# KiCad board visionboard.kicad_pcb (continued)
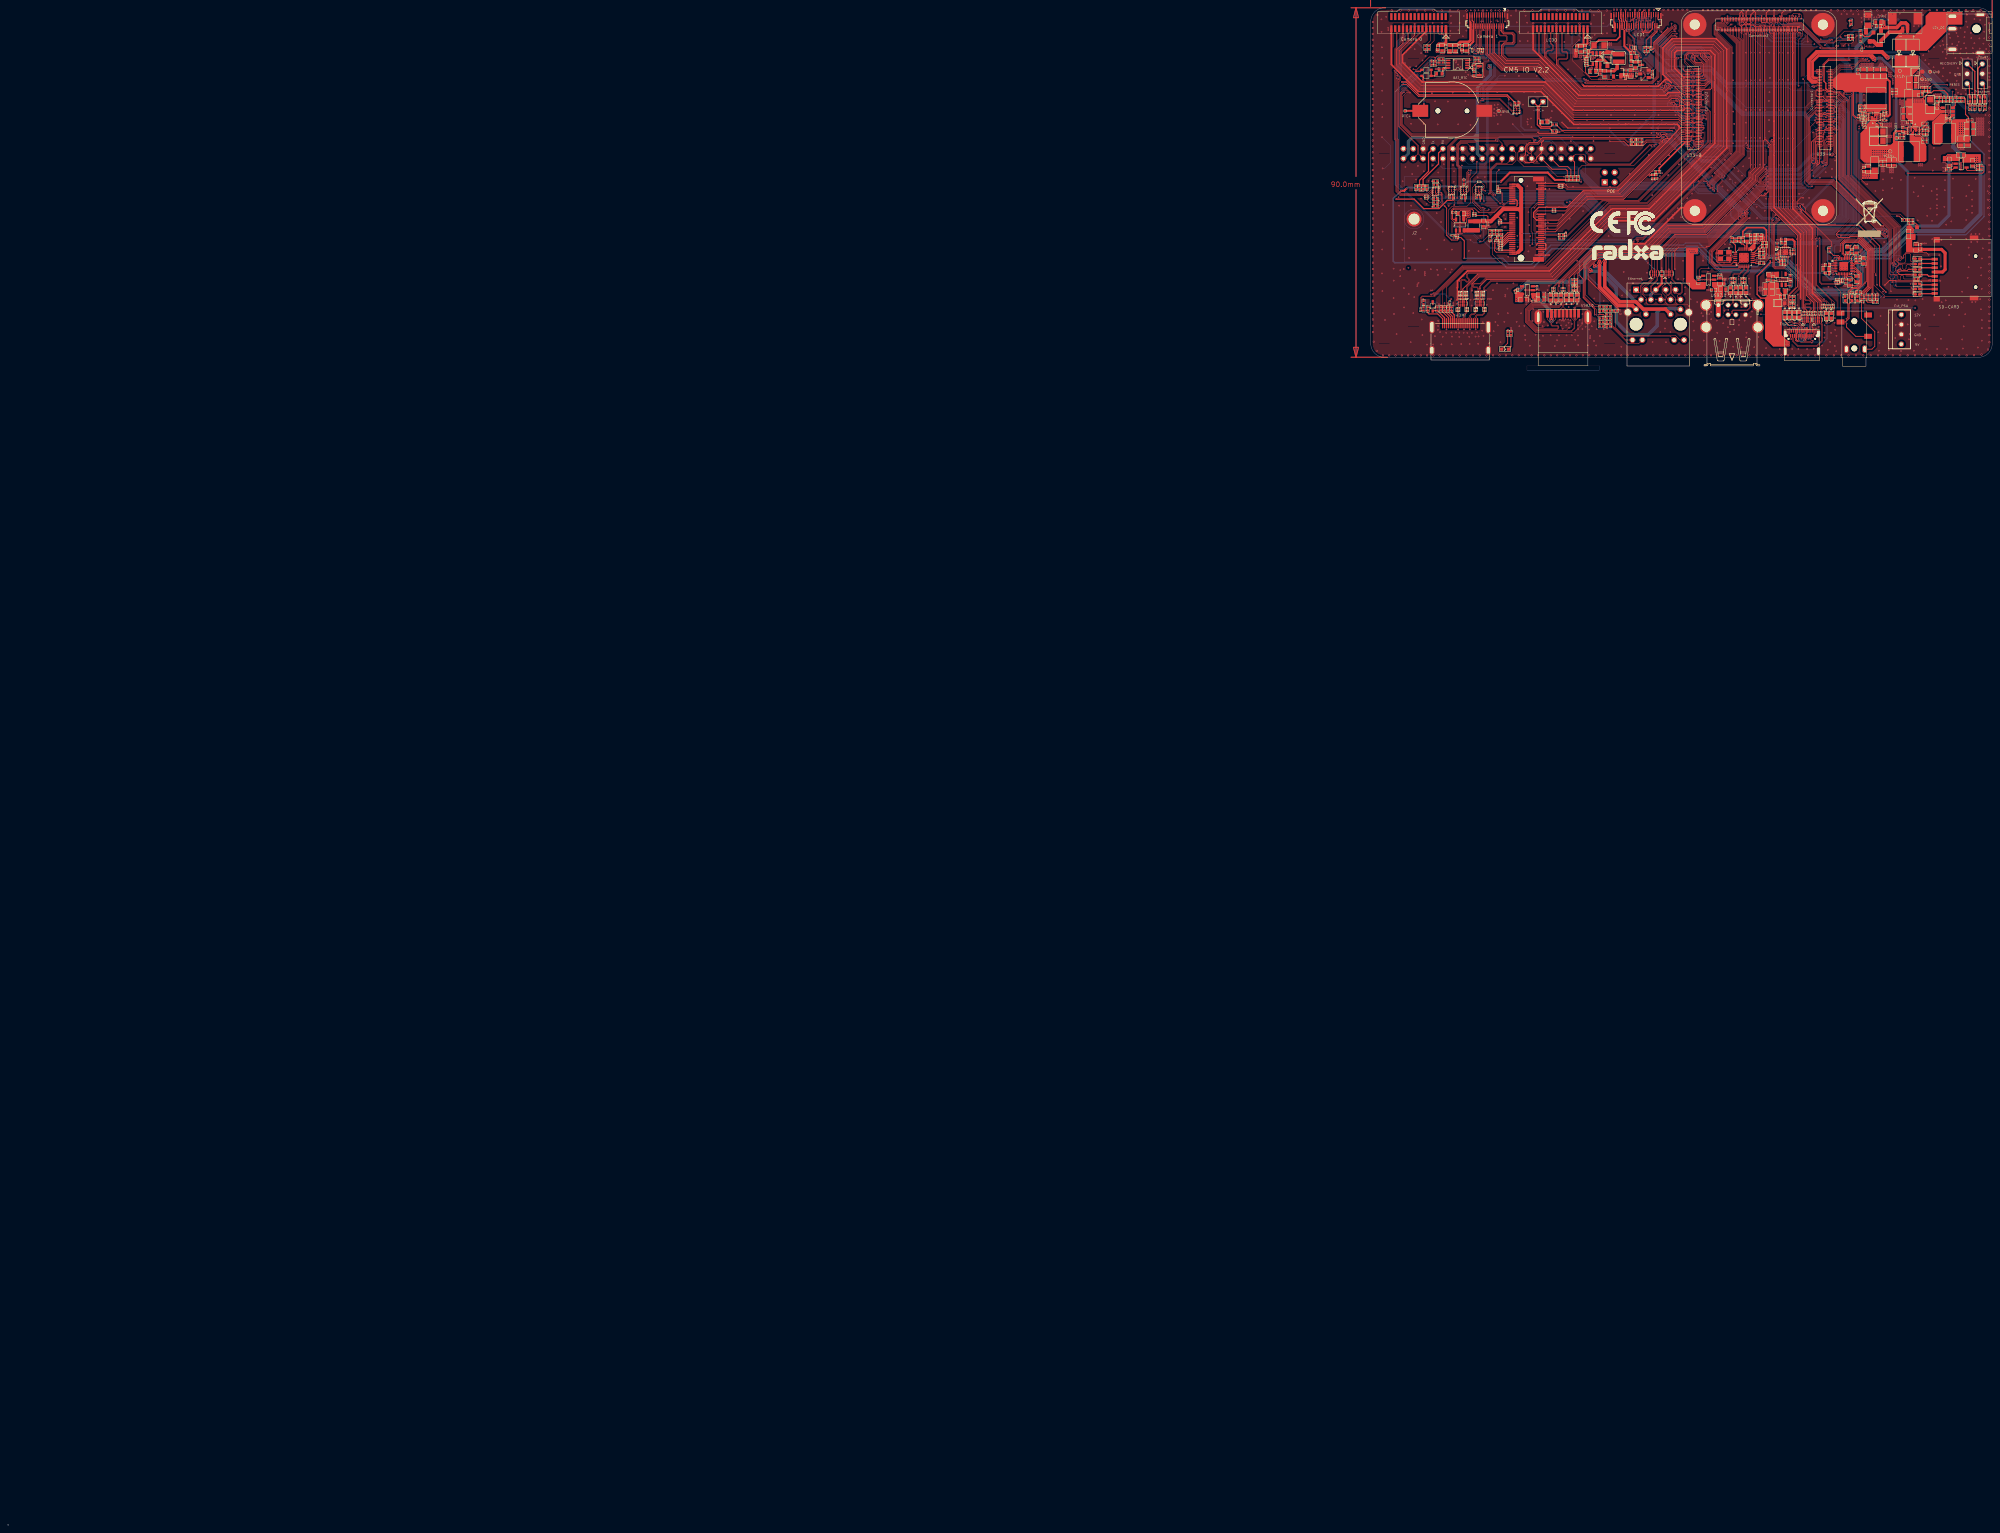
[diagram p0: board, top side]
## Nets (continued)
N29956: R102.1 U17.13
N42094: R147.1 U27.8
N42102: C129.1 R147.2
N42228: C129.2 L12.1 U27.7
N42868: R149.1 R152.2 U27.11
N42932: C141.1 R151.1 R153.2 R154.2
N43092: C143.1 R155.2 U27.6
N43384: R156.1 U27.3
N43388: C144.1 R156.2 U27.9
N43540: D45.1 D46.1 U37.1
N43676: C145.2 L13.1 U29.6
N43804: C145.1 U29.1
N46864: CON1.8 D49.2 R167.1
N46956: CON1.10 D48.2 R168.1
N87861: C1.1 D1.2 J1.18
N113472: C90425.1 L5003.4 R952.2
N113574: C90426.1 L5003.3 R953.2
N113748: C90427.1 L5004.4 R954.2
N113850: C90420.1 L5004.3 R955.2
N114042: C90421.1 L5005.4 R956.2
N114144: C90422.1 L5005.3 R957.2
N114322: C90424.1 L5006.4 R958.2
N114424: C90423.1 L5006.3 R959.2
N131672: C90399.1 R95155.2 R95159.1 R95581.2 U4301.50
N131914: R95147.2 U4301.54
N131962: R95148.2 U4301.56
N132002: R95149.2 U4301.58
N132062: R95150.2 U4301.60
N132134: R95152.2 U4301.70
N132294: L5011.1 U90077.3
N132462: C269.1 R95209.2 R95239.2 U90077.1
N132478: C266.2 R95210.1 R95281.2 U90077.5
N135689: FB261.3 R95141.1 U4301.3
N135722: FB261.4 R95142.1 U4301.5
N135883: C90392.2 U4301.35
N135887: C90393.2 U4301.37
N136147: R95144.2 U4301.53
N136159: R95146.2 U4301.55
N138588: R95143.2 U4301.42
N139019: R95145.2 U4301.52
N146153: R95467.2 U90104.2
N146193: R95468.2 U90104.4
N146409: R95469.2 U90104.23
N146477: R95470.2 U90104.25
N146511: R95471.2 U90104.26
N146519: R95472.2 U90104.27
N16719677: C750.2 J5002.20 R715.2
N16719795: J5002.23 R814.2
N16719909: J5002.27 R95580.2
N16722445: C90408.1 C90410.1 L5000.1 Q9514.3 R95039.1 U90082.6
N16722481: D5000.1 L5000.2 U90082.1
N16722531: Q9514.1 R95041.2 R95044.1
N16722773: R95039.2 R95137.2 R95578.2 U90082.4
N16722853: Q9515.3 R95044.2
N16722887: R95071.1 R95072.2 U90082.3
N16723025: Q9515.1 R95042.2 R95043.1
N16723155: C90448.1 R95072.1 R95073.2
N16734367: R95115.1 U1.8
N16734375: C90489.1 R95115.2
N16734501: C90489.2 L5002.1 R95121.1 U1.7
N16734773: C90487.1 R95114.2 R95122.1 U1.12
N16734781: C90481.1 R95118.1 R95121.2
N16735007: R95116.1 R95118.2 R95120.2 U1.11
N16735153: C90482.1 R95113.1 R95119.1 U1.9
N16735287: R95113.2 U1.3
N16735291: R95117.1 R95119.2 U1.6
N16750686: L90020.1 R91188.2 R95546.1
N16750718: L90020.2 R91189.2 R95547.1
N16754417: R91193.1 U90115.3
N16755970: L90026.1 R95550.1 R95551.2
N16756054: L90026.2 R95552.2 R95553.1
N16763522: C90774.1 C90775.1 C90776.1 C90777.1 J8203.1 J8203.5 U90128.1
N16763712: R95556.1 U90128.3
N16763936: ED21.1 J8203.2 L90027.3 R249.1
N16763952: ED22.1 J8203.6 L5012.1 R253.2
N16764114: ED20.1 J8203.3 L90027.4 R250.1
N16764134: ED6.1 J8203.7 L5012.2 R254.2
N16766215: R396.2 U90129.31
N16766259: C560.1 U90129.28
N16766319: C561.1 U90129.27
N16766443: C563.1 U90129.25
N16766591: C564.1 U90129.24
N16766729: C565.1 U90129.21
N16767009: R90340.1 U90129.10
N16767013: R95558.2 R95573.1 U90129.12
N16767017: C569.1 C570.1 U90129.13
N16767025: C568.1 U90129.15
N16767069: C568.2 U90129.16
N16767177: J15.4 R90337.2 R90340.2 R90341.1
N16770554: C90615.1 U3.1 Y2.2
N16770682: C90616.1 U3.2 Y2.1
N16770702: C90617.1 R95373.2 U3.8
N16770836: R95028.1 R95374.1 U3.7
N16770894: R121.2 U3.3
N16770902: R120.1 U3.6
N16771020: R95377.1 U3.5
N16772975: D2.1 TP16.1 U90131.1
N16776017: ED4806.1 R95495.2 U32.1
N16801679: J7.4 R95570.2
N16801700: J7.5 R95571.2
N16808352: C153.1 R158.2 R159.2 R160.1 R95572.2 U29.4
N16810900: C148.2 R157.2 R161.1 U29.3
N16815803: R2612.1 U2603.3
N16815967: R2613.2 R95599.2 U2602.5
N16884567: J24.92 R9241.2
N16901877: ED9203.1 R95582.2 U32.3
N16901998: R95583.2 R95598.1 U4301.6
N16914632: ED9204.1 R95584.2 U90134.3
N16914672: ED9205.1 R95585.2 U90134.1
N16916775: R95586.2 U4301.20
N16941764: LED4.2 R95602.1
N16946224: ED7104.1 J10.1 R7120.2
N16946250: J10.2 R7125.1
N17002627: CON1.27 R95609.2 R95610.2
N17002814: CON1.28 R95611.1 R95612.1
N17057562: Q1.1 R12.2 R13.1
N17076875: R2311.2 R95606.2 U2305.4
N17076883: R2322.1 U2305.3
N17101033: D37.1 Q15.3 U26.1
N17101108: Q15.1 R214.1 R215.1
N17101132: Q15.2 R353.1
N17122158: R95616.1 U33.106
N169418181: LED4.1 R95603.2

Pads without a net: J3 21 22; J6 16 17 18 19 20 21 22 23 24 25 26 27 28 29 30; J7 16 17 18 19 20 21 22 23 24 25 26 27 28 29 30; J15 1 7 8; J24 16 33 35 39 41 44 46 50 52 54 58 60 64 66 70 78 80 82 84 86 88 91 97; J5002 8 9 22 26; J8202 H1 H2; U1 4; U17 2 22 23 24; U27 4 12; U33 16 18 26 64 68 70 72 76 78 94 101 104 111 143 146 148 149 152 154 158 160 164 166; U37 6; U4301 8 9 10 11 12 13 14 15 16 17 19 22 32 34 36 38 40 44 46 48 59 61 62 64 65 66 67 68 71 73; U90104 5 36 37; U90129 11 29 30; U90133 D1 D3; U90135 A1 A3; U90136 C1 C3 D1 D3

## Via types
v1: diameter 0.4, hole 0.2, Top to Bottom, 2292 vias
v2: diameter 0.5, hole 0.3, Top to Bottom, 439 vias

## Routing (per net, layer and track width the routed paths; a pad name or vN(x,y) marks a point on that pad's centre or on a via; arc(x,y) is an arc through that point)
3V3_CAM1: length 6.5
  Top w0.3: C90779.1 370.23,381.27
  Top w0.5: J7.1 370.23,381.27 369.28,381.27 C90778.1 369.06,380.94 FB2.2
3V3_CAM2: length 10.4
  Top w0.1: 376.38,381.12 C813.1
  Top w0.25: J5002.29 377.03,387.54 377.33,387.24 J5002.28 377.33,385.51 377.33,385.07
  Top w0.5: FB7.2 374.58,381.12 C812.1 376.38,381.12 377.33,382.07 377.33,385.07
5V_CAM: length 13.5
  Top w0.25: J5002.31 376.43,387.39 376.73,387.09 J5002.30 376.73,385.24 376.66,385.17
  Top w0.3: 373.24,381.11 373.32,381.11 373.36,381.14 C549.1
  Top w0.33: 373.63,381.49 373.65,381.49 373.68,381.46 C549.1
  Top w0.5: 376.66,385.17 376.66,382.34 376.26,381.94 374.08,381.94 373.24,381.11 C548.1 R316.2
AVCC_1V8_CODEC_S0: length 17
  Top w0.23: U90129.4 469.11,324.43 C571.1 469.15,324.83 U90129.3 ; v1(473.43,321.42) 473.31,321.54 U90129.14
  Top w0.3: v1(468.56,328.84) R396.1 ; v1(468.83,325.12) 468.83,324.62 C571.1 ; v1(468.93,321.94) R95557.2
  Top w0.5: R95557.2 468.93,323.52 ; 468.93,323.52 C572.1 ; 468.93,323.52 C571.1
  Bottom w0.3: v1(468.56,328.84) 468.56,325.39 v1(468.83,325.12) ; v1(468.93,321.94) 469.46,321.42 v1(473.43,321.42)
GND: length 5609.7
  Top w0.051: 370.72,313.48 370.72,313.67 ; 491.17,326 491.36,326 ; 491.38,316.99 491.57,316.99 ; 364.51,344.05 364.51,344.24 ; 491.24,319.83 491.43,319.83 ; 506.32,366.8 506.32,366.99 ; 364.42,344.14 364.42,344.33 ; 409.87,312.9 410.06,312.9 ; 369.03,313.38 369.03,313.57 ; 491.21,324.64 491.4,324.64 ; 473.13,316.11 473.13,316.3 ; 491.27,316.88 491.46,316.88 ; 505.28,366.9 505.28,367.09 ; 363.54,344.07 363.54,344.26 ; 491.17,323.2 491.36,323.2 ; 491.2,322.22 491.39,322.22 ; 508.98,366.87 508.98,367.06 ; 491.32,323.42 491.52,323.42 ; 368.84,313.56 368.84,313.75 ; 371.81,313.47 371.81,313.66 ; 491.31,317.04 491.5,317.04 ; 368.95,313.46 368.95,313.65 ; 368.88,313.52 368.88,313.71 ; 370.91,313.47 370.91,313.66 ; 410.61,310.6 410.8,310.6 ; 410.46,310.75 410.65,310.75 ; 491.25,326.08 491.44,326.08 ; 473.01,316.12 473.01,316.31 ; 491.35,318.37 491.54,318.37 ; 491.35,324.79 491.54,324.79 ; 409.95,312.81 410.14,312.81 ; 507.97,366.76 507.97,366.95 ; 365.71,313.5 365.71,313.69 ; 507.86,366.86 507.86,367.05 ; 364.34,344.09 364.34,344.28 ; 491.34,326.17 491.53,326.17 ; 365.63,313.41 365.63,313.6 ; 491.34,319.64 491.53,319.64 ; 410,312.73 410.19,312.73 ; 507.75,366.91 507.75,367.1 ; 491.32,326.22 491.52,326.22 ; 491.31,326.14 491.5,326.14 ; 476.23,316.06 476.23,316.25 ; 371.78,313.45 371.78,313.64 ; 509.06,366.93 509.06,367.12 ; 371.62,313.48 371.62,313.67 ; 371.01,313.56 371.01,313.75 ; 491.29,323.44 491.48,323.44 ; 365.53,313.46 365.53,313.65 ; 507.7,366.85 507.7,367.04 ; 474.97,316.2 474.97,316.39 ; 369.98,313.45 369.98,313.64 ; 476.08,316.2 476.08,316.39 ; 491.31,322.09 491.5,322.09 ; 369.74,313.56 369.74,313.75 ; 491.26,323.47 491.45,323.47 ; 491.26,322.14 491.45,322.14 ; 371.54,313.56 371.54,313.75 ; 371.68,313.42 371.68,313.61 ; 476.33,316.17 476.33,316.36 ; 476.18,316.1 476.18,316.29 ; 491.25,323.28 491.44,323.28 ; 491.34,324.77 491.53,324.77 ; 491.26,326.27 491.45,326.27 ; 505.26,366.93 505.26,367.12 ; 474.72,316.16 474.72,316.35 ; 491.17,323.57 491.36,323.57 ; 491.3,319.62 491.49,319.62 ; 363.62,344.01 363.62,344.2 ; 473.22,316.19 473.22,316.38 ; 364.29,344.04 364.29,344.23 ; 476.2,316.07 476.2,316.26 ; 369.06,313.41 369.06,313.6 ; 491.2,318.15 491.39,318.15 ; 364.44,344.11 364.44,344.3 ; 365.45,313.52 365.45,313.71 ; 370.78,313.42 370.78,313.61 ; 473.06,316.06 473.06,316.25 ; 363.66,343.97 363.66,344.16 ; 506.43,366.91 506.43,367.1 ; 491.3,316.92 491.49,316.92 ; 491.24,318.19 491.43,318.19 ; 505.15,366.85 505.15,367.04 ; 491.35,322.07 491.54,322.07 ; 505.34,366.84 505.34,367.03 ; 491.29,319.77 491.48,319.77 ; 371.7,313.4 371.7,313.59 ; 371.65,313.46 371.65,313.65 ; 491.24,324.89 491.43,324.89 ; 371.91,313.56 371.91,313.75 ; 364.37,344.13 364.37,344.32 ; 506.51,366.9 506.51,367.09 ; 410.57,310.93 410.76,310.93 ; 491.21,326.04 491.4,326.04 ; 491.24,317.13 491.43,317.13 ; 363.52,344.11 363.52,344.3 ; 473.26,316.23 473.26,316.42 ; 370.8,313.4 370.8,313.59 ; 506.61,366.8 506.61,366.99 ; 370.97,313.52 370.97,313.71 ; 472.89,316.23 472.89,316.42 ; 409.84,312.57 410.03,312.57 ; 369.88,313.42 369.88,313.61 ; 491.35,323.39 491.54,323.39 ; 370.75,313.46 370.75,313.65 ; 364.32,344.06 364.32,344.25 ; 365.68,313.47 365.68,313.66 ; 508.93,366.82 508.93,367.01 ; 491.35,317.02 491.54,317.02 ; 506.65,366.76 506.65,366.95 ; 505.31,366.86 505.31,367.05 ; 476.41,316.24 476.41,316.43 ; 474.68,316.2 474.68,316.39 ; 474.93,316.17 474.93,316.36 ; 491.34,318.29 491.53,318.29 ; 491.17,324.6 491.36,324.6 ; 473.16,316.14 473.16,316.33 ; 369.11,313.47 369.11,313.66 ; 507.64,366.8 507.64,366.99 ; 491.34,323.37 491.53,323.37 ; 409.99,312.78 410.18,312.78 ; 369.78,313.52 369.78,313.71 ; 410.47,310.83 410.66,310.83 ; 505.05,366.76 505.05,366.95 ; 491.32,324.82 491.52,324.82 ; 491.21,323.53 491.4,323.53 ; 371.73,313.38 371.73,313.57 ; 491.2,316.8 491.39,316.8 ; 363.47,344.15 363.47,344.34 ; 491.38,319.69 491.57,319.69 ; 508.95,366.85 508.95,367.04 ; 369.08,313.45 369.08,313.64 ; 472.97,316.15 472.97,316.34 ; 508.85,366.76 508.85,366.95 ; 491.24,326.29 491.43,326.29 ; 507.68,366.82 507.68,367.01 ; 369.21,313.56 369.21,313.75 ; 505.38,366.8 505.38,366.99 ; 473.03,316.09 473.03,316.28 ; 410.55,310.68 410.74,310.68 ; 509.03,366.94 509.03,367.13 ; 491.31,324.74 491.5,324.74 ; 506.53,366.86 506.53,367.05 ; 474.64,316.24 474.64,316.43 ; 409.94,312.68 410.13,312.68 ; 491.34,321.99 491.53,321.99 ; 509.08,366.9 509.08,367.09 ; 410.52,310.7 410.71,310.7 ; 491.29,326.24 491.48,326.24 ; 491.31,318.39 491.5,318.39 ; 491.21,324.93 491.4,324.93 ; 476.31,316.15 476.31,316.34 ; 473.08,316.05 473.08,316.24 ; 491.2,319.87 491.39,319.87 ; 474.8,316.07 474.8,316.26 ; 472.93,316.19 472.93,316.38 ; 410.61,310.97 410.8,310.97 ; 410.53,310.89 410.72,310.89 ; 491.27,323.32 491.46,323.32 ; 491.36,318.32 491.55,318.32 ; 370.03,313.5 370.03,313.69 ; 491.26,319.79 491.45,319.79 ; 491.24,321.89 491.43,321.89 ; 507.89,366.84 507.89,367.03 ; 364.25,344.01 364.25,344.2 ; 474.91,316.15 474.91,316.34 ; 491.3,318.27 491.49,318.27 ; 410.45,310.81 410.64,310.81 ; 491.2,318.52 491.39,318.52 ; 363.33,344.01 363.33,344.2 ; 409.9,312.86 410.09,312.86 ; 410.51,310.86 410.7,310.86 ; 370.01,313.47 370.01,313.66 ; 369,313.4 369,313.59 ; 505.18,366.87 505.18,367.06 ; 506.28,366.76 506.28,366.95 ; 475.01,316.24 475.01,316.43 ; 409.87,312.6 410.06,312.6 ; 507.83,366.9 507.83,367.09 ; 364.55,344.01 364.55,344.2 ; 491.29,324.84 491.48,324.84 ; 491.2,317.17 491.39,317.17 ; 476.26,316.08 476.26,316.27 ; 476.28,316.12 476.28,316.31 ; 370.07,313.52 370.07,313.71 ; 370.68,313.52 370.68,313.71 ; 371.76,313.41 371.76,313.6 ; 365.58,313.4 365.58,313.59 ; 365.66,313.45 365.66,313.64 ; 368.92,313.48 368.92,313.67 ; 491.24,316.84 491.43,316.84 ; 371.58,313.52 371.58,313.71 ; 491.36,319.67 491.55,319.67 ; 410.01,312.76 410.2,312.76 ; 491.29,322.12 491.48,322.12 ; 365.49,313.48 365.49,313.67 ; 506.46,366.94 506.46,367.13 ; 506.57,366.84 506.57,367.03 ; 491.35,326.19 491.54,326.19 ; 505.13,366.82 505.13,367.01 ; 491.24,319.54 491.43,319.54 ; 370.93,313.5 370.93,313.69 ; 491.27,321.93 491.46,321.93 ; 505.23,366.94 505.23,367.13 ; 370.86,313.41 370.86,313.6 ; 491.17,324.97 491.36,324.97 ; 409.91,312.64 410.1,312.64 ; 371.87,313.52 371.87,313.71 ; 476.12,316.16 476.12,316.35 ; 368.98,313.42 368.98,313.61 ; 364.47,344.07 364.47,344.26 ; 491.25,324.68 491.44,324.68 ; 365.78,313.56 365.78,313.75 ; 409.97,312.7 410.17,312.7 ; 409.84,312.93 410.03,312.93 ; 491.26,324.87 491.45,324.87 ; 365.55,313.42 365.55,313.61 ; 364.58,343.97 364.58,344.16 ; 506.48,366.93 506.48,367.12 ; 369.82,313.48 369.82,313.67 ; 370.88,313.45 370.88,313.64 ; 371.83,313.5 371.83,313.69 ; 491.35,319.72 491.54,319.72 ; 363.42,344.09 363.42,344.28 ; 369.17,313.52 369.17,313.71 ; 491.24,323.49 491.43,323.49 ; 491.27,326.12 491.46,326.12 ; 491.2,321.85 491.39,321.85 ; 370.11,313.56 370.11,313.75 ; 491.24,318.48 491.43,318.48 ; 509,366.91 509,367.1 ; 410.57,310.64 410.76,310.64 ; 364.21,343.97 364.21,344.16 ; 363.44,344.13 363.44,344.32 ; 365.61,313.38 365.61,313.57 ; 364.39,344.15 364.39,344.34 ; 491.27,318.23 491.46,318.23 ; 506.35,366.82 506.35,367.01 ; 507.73,366.87 507.73,367.06 ; 491.27,324.72 491.46,324.72 ; 370.64,313.56 370.64,313.75 ; 473.11,316.07 473.11,316.26 ; 370.83,313.38 370.83,313.57 ; 491.21,323.24 491.4,323.24 ; 509.22,366.76 509.22,366.95 ; 491.29,317.07 491.48,317.07 ; 508.89,366.8 508.89,366.99 ; 491.31,323.34 491.5,323.34 ; 509.11,366.86 509.11,367.05 ; 491.24,322.18 491.43,322.18 ; 474.78,316.1 474.78,316.29 ; 491.26,317.09 491.45,317.09 ; 491.21,326.33 491.4,326.33 ; 363.39,344.06 363.39,344.25 ; 505.09,366.8 505.09,366.99 ; 476.37,316.2 476.37,316.39 ; 474.88,316.12 474.88,316.31 ; 369.96,313.41 369.96,313.6 ; 507.6,366.76 507.6,366.95 ; 363.49,344.14 363.49,344.33 ; 365.41,313.56 365.41,313.75 ; 410.43,310.78 410.62,310.78 ; 491.31,319.74 491.5,319.74 ; 507.78,366.94 507.78,367.13 ; 491.17,326.37 491.36,326.37 ; 506.4,366.87 506.4,367.06 ; 369.93,313.38 369.93,313.57 ; 491.26,318.44 491.45,318.44 ; 507.93,366.8 507.93,366.99 ; 509.14,366.84 509.14,367.03 ; 491.2,319.5 491.39,319.5 ; 474.83,316.06 474.83,316.25 ; 363.37,344.04 363.37,344.23 ; 491.29,318.42 491.48,318.42 ; 363.29,343.97 363.29,344.16 ; 369.13,313.5 369.13,313.69 ; 365.75,313.52 365.75,313.71 ; 409.92,312.83 410.11,312.83 ; 473.18,316.16 473.18,316.35 ; 491.38,318.34 491.57,318.34 ; 507.81,366.93 507.81,367.12 ; 476.15,316.13 476.15,316.32 ; 491.27,319.58 491.46,319.58 ; 476.04,316.24 476.04,316.43 ; 474.75,316.13 474.75,316.32 ; 491.3,321.97 491.49,321.97 ; 491.36,316.97 491.55,316.97 ; 509.18,366.8 509.18,366.99 ; 410.5,310.73 410.69,310.73 ; 363.58,344.05 363.58,344.24 ; 505.42,366.76 505.42,366.95 ; 506.38,366.85 506.38,367.04 ; 505.2,366.91 505.2,367.1 ; 491.36,322.02 491.55,322.02 ; 474.86,316.08 474.86,316.27 ; 491.38,322.04 491.57,322.04 ; 491.34,316.94 491.53,316.94 ; 369.9,313.4 369.9,313.59 ; 369.85,313.46 369.85,313.65
  Top w0.1: U33.107 434.58,356.38 434.46,356.26 434.46,355.02 434.97,354.51 v1(435.27,354.51) ; v1(436.46,368.32) 436.33,368.44 435.87,368.44 435.8,368.38 U33.167 ; U33.1 469.86,355.18 469.97,355.29 469.97,356.39 ; 453.31,341.82 453.31,326.86 452.72,326.27 450.76,326.27 450.61,326.42 v1(450.31,326.42) ; 435.9,375.32 435.9,375.74 435.65,375.99 434.24,375.99 432.49,377.74 v1(432.21,377.74) ; 465.77,365.18 465.63,365.18 463.37,362.91 463.37,346.34 463.99,345.72 469.7,345.72 483.18,332.24 483.63,332.24 483.85,332.02 ; 472.71,367.99 473.13,367.57 473.13,347.78 486.51,334.4 486.46,334.35 486.46,325.92 486.71,325.67 487.31,325.67 487.83,326.19 ; v1(471.21,366.77) 471.91,366.07 471.91,346.97 484.93,333.94 484.93,324.87 485.34,324.47 v1(485.56,324.47) ; 382.08,378.87 381.83,379.12 J5002.13 ; D90033.2 398.63,315.48 398.66,315.48 397.45,314.27 392.6,314.27 391.28,312.95 391.28,310.08 393.57,307.79 401.36,307.79 402.08,308.52 ; 405.36,310.84 405.36,309.26 403.29,307.19 393.32,307.19 390.68,309.84 390.68,313.2 392.4,314.92 394.91,314.92 395.51,315.52 C2283.2 ; U33.119 435.18,358.77 436.23,358.77 v1(436.46,358.64) ; v1(453.16,345.97) 453.03,346.09 452.56,346.09 452.17,345.7 452.17,345.22 437.79,330.84 429.81,330.84 425.84,326.87 C3.1 ; v1(485.56,324.47) 485.63,324.54 485.63,334.02 472.33,347.32 472.33,366.52 470.88,367.97 v1(470.13,367.97) ; v1(485.56,324.47) 485.88,324.15 486.23,324.15 486.9,324.82 ; U90104.9 422.53,385.44 421.56,384.47 421.06,384.47 ; v1(409.68,372.34) 407.68,372.34 402.96,377.06 402.96,380.89 v1(404.66,382.59) ; v1(461.38,384.42) 461.71,384.09 461.71,383.53 461.56,383.39 ; v1(434.26,362.42) 435.18,362.42 U33.137 437.05,362.38 v1(437.31,362.12) 437.41,362.22 437.41,363.42 v1(437.16,363.67) ; 447.99,354.47 447.53,354.93 447.53,355.74 447.56,355.77 ; U90104.12 421.61,386.19 421.61,388.17 421.61,388.17 421.61,390.05 v2(421.41,390.27) ; U5.8 423.99,326.12 429.46,331.59 437.69,331.59 451.57,345.47 451.57,346.58 452.4,347.42 453.1,347.42 453.16,347.47 v1(453.16,347.49) 453.12,347.53 453.31,347.72 453.31,348.52 ; U33.197 435.86,374.38 435.9,374.42 435.9,375.22 435.86,375.27 ; U33.13 469.84,357.58 469.97,357.44 469.97,356.39 ; 451.57,388.62 451.56,388.62 v1(451.56,388.64) ; v1(443.66,386.49) 443.21,386.04 440.48,386.04 440.31,385.87 440.31,384.45 443.97,380.79 443.97,353.55 422.51,332.09 ; 452.72,348.59 453.23,348.59 453.31,348.52 ; 431.9,365.98 431.81,366.07 431.81,366.55 431.57,366.78 ; v1(454.78,386.02) v1(457.06,386.02) ; v1(394,358.71) 393.61,358.32 361.59,358.32 359.11,360.8 359.11,367.97 360.07,368.93 v1(361.03,368.93) 360.57,369.39 358.96,369.39 358.51,368.94 358.51,360.54 361.37,357.67 394.03,357.67 v1(394.58,357.12) ; v1(467.73,312.67) 467.59,312.67 466.83,313.43 466.83,314.84 v1(467.03,315.04) ; v1(480.96,321.89) 480.96,322.3 480.68,322.58 480.68,329.44 v1(479.61,330.52) ; U33.2 467.21,355.18 467.41,355.38 467.41,356.24 467.27,356.38 U33.8 ; 465.98,331.94 465.98,334.03 461.86,338.15 461.86,338.59 461.58,338.87 460.87,338.87 460.37,339.37 460.37,384.29 460.77,384.69 460.77,385.98 461.35,385.98 463.46,383.88 v1(463.46,382.07) ; v1(436.48,325.64) 436.48,327.07 ; 419.83,330.67 419.54,330.67 419.33,330.87 419.33,331.2 419.5,331.37 421.06,331.37 443.57,353.87 443.57,380.52 439.91,384.18 439.91,386.03 440.36,386.49 442.21,386.49 v1(442.66,386.94) ; 453.31,348.52 453.31,352.59 ; 483.85,332.02 484.08,332.25 484.08,333.39 v1(482.88,334.59) ; 483.85,332.02 483.93,331.94 483.93,331.52 483.34,331.52 469.54,345.32 463.79,345.32 462.97,346.14 462.97,365.34 464.42,366.79 466.59,366.79 U33.60 ; 469.97,356.39 469.96,356.38 U33.7 ; v1(427.13,358.29) 427.09,358.26 426.74,358.61 400.83,358.61 400.55,358.89 399.61,358.89 v1(399.54,358.74) ; v1(472.73,368.79) 472.86,368.92 474.48,368.92 474.9,368.5 474.9,363.14 476.17,361.87 R95116.2 ; 429.86,314.39 432.43,314.39 v1(432.93,313.89) ; 429.86,314.39 427.33,314.39 ; 429.86,314.39 429.41,314.84 429.41,316.02 428.46,316.97 428.46,319.42 428.18,319.7 v1(428.18,320.14) ; U6.8 427.69,327.59 430.21,330.12 437.91,330.12 452.58,344.79 453.06,344.79 v1(453.11,344.84) ; v1(476.08,383.59) 475.67,383.18 475.65,383.18 475.31,382.83 475.31,382.19 474.76,381.64 473.28,381.64 v1(472.63,380.99) ; v1(446.36,384.37) 446.36,383.07 446.78,382.64 446.78,353.07 441.38,347.67 441.38,346.01 440.29,344.92 440.29,343.37 ; v1(450.23,325.47) 452.78,325.47 454.03,326.72 454.03,336.27 v1(455.16,337.39) ; v1(419.83,387.09) 419.76,387.34 419.76,388.22 419.83,388.29 419.83,389.92 v2(420.18,390.27) ; 427.33,314.39 426.71,315.02 426.71,316.67 425.94,317.44 425.94,318.91 v1(426.66,319.62) ; 427.33,314.39 422.26,314.39 421.86,314.79 421.86,315.99 420.81,317.04 420.81,318.67 421.56,319.42 422.26,319.42 423.67,320.82 423.67,321.05 v1(423.98,321.37) ; 487.83,326.19 v1(488.08,326.44) ; 487.83,326.19 487.44,326.19 487.11,326.52 487.11,334.37 473.86,347.62 473.86,367.09 473.03,367.92 472.86,367.92 v1(472.76,368.02) ; v1(420.86,385.17) 420.81,385.08 420.71,385.14 420.71,385.14 420.71,387.32 420.56,387.47 420.56,387.87 v1(420.73,388.04) ; 458.2,386.02 458.53,386.02 ; D90037.2 401.28,315.5 401.31,315.5 399.33,313.52 392.69,313.52 391.88,312.7 391.88,310.33 393.82,308.39 395.23,308.39 395.63,308.79 ; v1(379.18,378.97) 379.33,378.82 379.85,378.82 380.08,379.05 380.08,380.29 379.46,380.92 379.46,384.69 380.05,385.28 380.05,387.15 v1(379.91,387.29) ; 486.9,324.82 v1(490.08,324.82) ; 486.9,324.82 486.06,325.66 486.06,334.26 472.73,347.58 472.73,367.02 v1(471.41,368.34) ; v1(445.97,340.94) 450.97,345.94 450.97,347.01 v1(452.56,348.6) ; C750.1 378.98,379.79 378.97,379.79 378.88,379.88 378.88,380.72 379.03,380.87 379.03,384.92 379.41,385.3 379.41,386.91 379.41,386.91 v1(379.41,387.29) ; ESD2703.2 461.3,312.35 461.91,311.74 461.91,310.75 461.61,310.45 v1(461.61,310.02) ; 419.92,330.75 419.92,330.72 419.27,330.07 417.26,330.07 ; 468.63,354.44 468.63,350.55 468.15,350.07 467.86,350.07 467.66,350.27 467.66,351.05 468.01,351.4 468.01,355.97 v1(468.38,356.34) ; ED12.2 484.74,322.04 484.53,322.25 484.53,333.72 471.51,346.75 471.51,365.37 v1(470.11,366.77) ; v1(470.21,322.14) 469.94,322.14 469.51,322.57 469.51,323.79 469.75,324.03 U90129.5 ; 490.78,325.06 ED14.2
  Top w0.15: v1(467.41,357.57) 467.41,356.68 467.08,356.35 466.59,356.35 U33.8 ; 460.68,340.54 460.68,339.68 461.54,338.82 461.66,338.82 461.88,338.6 461.88,338.16 469.53,330.51 v1(469.53,329.42) ; 460.68,340.54 460.93,340.29 461.73,340.29 462.91,339.12 462.91,338.38 466.22,335.07 470.66,335.07 ; 460.68,340.54 460.68,340.89 461.65,341.87 v1(462.26,341.87) ; v1(478.76,345.37) 478.39,345.37 477.13,346.63 477.13,349.08 477.57,349.52 C131.2 ; v1(421.63,373.14) 420.63,372.14 413.11,372.14 412.93,372.32 v1(411.88,372.32) ; 464.42,352.59 464.41,352.58 464.41,351.02 464.76,350.67 465.12,350.67 465.38,350.93 ; v1(454.78,386.02) 454.78,385.94 453.69,385.94 453.57,386.07 ; v1(388.63,339.89) 388.41,339.67 384.28,339.67 382.75,338.13 v1(378.71,338.13) 377.62,339.22 372.2,339.22 371.63,338.66 371.63,336.42 372.81,335.24 v1(373.88,335.24) 375.33,335.24 375.56,335.47 375.56,336.54 375.83,336.82 376.44,336.82 376.61,336.98 376.61,338.46 376.44,338.62 374.13,338.62 373.43,337.92 C265.2 ; v1(488.08,326.44) 488.08,327.06 488.71,327.69 494.06,327.69 v1(494.56,327.19)
  Top w0.2: U33.167 434.37,368.38 v1(433.98,367.99) ; v2(415.13,312.84) 414.71,313.27 414.51,313.27 406.88,320.9 406.88,323.68 409.74,326.54 423.38,326.54 429.23,332.39 437.43,332.39 v1(445.97,340.94) ; v1(431.71,363.59) 432.07,363.58 U33.144 434.09,363.58 v1(434.28,363.77) ; U90129.17 475.9,322.83 476.68,322.05 476.68,319.79 476.18,319.28 C569.2 ; 452.37,386.08 452.36,386.09 451.26,386.09 451.16,385.99 ; 452.37,386.08 v1(452.38,386.07) 453.57,386.07 453.57,385.13 ; 452.37,386.08 452.37,356.82 ; 431.32,370.78 U33.180 U33.179 436.94,370.78 438.01,371.84 438.01,377.34 v1(437.26,378.09) 437.26,378.43 436.75,378.94 ; 431.32,370.78 427.68,374.42 427.68,379.84 429.18,381.34 439.11,381.34 441.08,379.37 441.08,355.31 423.21,337.44 413.61,337.44 397.66,321.49 378.81,321.49 376.98,319.67 v1(376.98,317.92) ; 431.32,370.78 431.46,370.64 v1(431.51,370.64) ; 464.42,352.59 464.42,356.23 v1(465.78,357.59) ; 431.43,375.18 v1(431.43,375.12) 431.43,374.82 431.87,374.38 U33.198 U33.197 ; v1(482.88,334.59) 482.41,334.59 470.86,346.14 470.86,361.49 ; v2(457.51,390.17) 456.77,389.43 J24.22 ; J7.12 359.23,381.66 357.58,380.01 357.58,376.02 363.51,370.09 395.13,370.09 403.25,361.98 430.23,361.98 431.07,361.14 v1(431.58,361.14) 432.07,361.18 U33.132 433.52,361.18 433.53,361.17 v1(434.13,361.17) ; U33.107 435.78,356.38 435.92,356.52 436.46,356.52 v1(436.46,356.44) 436.48,356.44 436.48,355.5 435.49,354.51 v1(435.27,354.51) ; U4301.39 399.26,336.1 406.05,342.89 415.03,342.89 430.92,358.78 U33.120 433.01,358.78 v1(433.38,358.77) 433.39,358.78 U33.119 ; U33.8 465.57,356.38 465.38,356.19 ; v2(454.81,390.17) 454.77,390.13 J24.32 454.77,386.03 v1(454.78,386.02) ; v1(433.43,357.19) 433.43,356.63 433.18,356.38 U33.108 430.92,356.38 416.03,341.49 406.88,341.49 398.49,333.1 U4301.51 ; v2(453.46,390.17) 452.77,389.48 J24.42 452.77,387.14 452.62,386.99 v1(451.61,386.99) 451.57,387.08 J24.48 451.57,388.59 v1(451.56,388.64) 451.57,388.64 451.57,388.62 ; U33.1 469.33,355.18 v1(469.33,354.52) ; v1(436.11,365.74) 435.65,365.98 U33.155 433.52,365.98 v1(433.51,365.99) 433.01,365.98 U33.156 431.86,365.98 431.52,365.64 431.25,365.64 ; v1(483.23,319.32) 484.46,320.54 485.99,320.54 486.09,320.44 494.51,320.44 v1(494.66,320.59) ; 446.37,385.92 445.97,386.32 J24.76 445.97,389.43 446.33,389.79 ; 446.37,385.92 J24.73 446.37,384.71 v1(446.36,384.37) ; 446.37,385.92 446.92,386.47 447.45,386.47 ; 384.53,384.99 384.53,384.66 385.12,384.07 387.28,384.07 387.61,383.74 387.61,381.99 387.36,381.74 385.25,381.74 384.61,381.1 384.61,378.47 385.91,377.17 394.43,377.17 404.16,367.44 427.43,367.44 428.1,368.12 430.23,368.12 431.28,367.07 ; 384.53,384.99 v1(384.46,384.99) ; 384.53,384.99 J5002.4 ; U90104.21 418.93,388.23 418.63,387.93 U90104.22 ; J5002.16 380.93,378.97 384.88,375.02 393.61,375.02 403.29,365.34 429.56,365.34 ; 427.26,357.07 427.77,357.07 427.88,356.96 ; 427.26,357.07 427.26,357.52 426.59,358.18 425.99,358.18 425.15,357.34 395.15,357.34 393.87,356.06 391.69,356.06 390.79,355.16 390.79,352.93 CON1.25 ; 427.26,357.07 426.79,357.07 426.64,356.92 426.29,356.92 426.02,356.64 ; U3807.3 374.63,318.37 378.46,322.19 397.31,322.19 413.28,338.17 422.94,338.17 440.38,355.6 440.38,378.99 438.76,380.62 429.45,380.62 428.38,379.55 428.38,374.77 431.17,371.98 U33.186 U33.185 436.97,371.98 437.26,372.27 437.26,376.92 435.88,378.29 435.88,378.94 ; v1(412.43,356.42) 416.08,356.42 417.28,355.22 420.98,355.22 421.98,356.22 425.59,356.22 426.02,356.64 ; v1(395.88,345.59) 400.68,345.59 401.68,344.59 414.43,344.59 426.02,356.18 426.02,356.64 ; U33.98 465.89,374.38 465.88,374.39 465.41,374.39 v1(465.38,374.42) ; 470.86,361.49 470.86,365.02 v1(470.56,365.32) 470.3,365.58 U33.53 468.7,365.58 468.36,365.24 v1(468.36,365.17) ; 470.86,361.49 470.77,361.58 U33.33 468.78,361.58 v1(468.36,361.54) 467.63,361.54 467.27,361.18 U33.32 465.92,361.18 v1(465.73,361.12) ; v1(443.38,325.27) 440.22,325.27 440.03,325.46 440.03,328.49 448.18,336.64 v1(448.51,336.64) ; U90127.8 463.21,312.87 462.41,313.67 462.41,332.93 455.97,339.37 455.97,386.01 v1(455.96,386.02) ; C565.2 478.51,325.64 478.51,320.32 476.06,317.87 C561.2 ; 441.13,385.52 441.03,385.62 v1(440.48,385.62) ; 429.56,365.34 429.56,365.87 429.08,366.34 428.41,366.34 428.11,366.04 403.58,366.04 393.9,375.72 385.26,375.72 383.68,377.29 383.66,377.29 382.08,378.87 ; 429.56,365.34 430.16,365.34 ; v1(433.98,369.42) 434.14,369.58 U33.173 435.65,369.58 435.86,369.69 438.31,369.69 438.71,370.09 438.71,378.28 438.05,378.94 436.75,378.94 ; v1(433.98,369.42) 433.72,369.58 U33.174 431.42,369.58 426.98,374.02 426.98,380.13 428.89,382.04 439.48,382.04 441.78,379.74 441.78,355.02 423.5,336.74 413.98,336.74 398.03,320.79 380.76,320.79 379.03,319.07 U3806.8 ; v1(433.98,369.42) 433.74,369.18 ; U90104.18 v1(419.83,387.09) ; 459.57,386.02 461.13,386.02 461.18,385.97 461.18,385.92 ; 459.57,386.02 J24.7 459.57,384.33 v1(459.56,384.32) ; 459.57,386.02 458.53,386.02 458.37,385.85 ; v1(377.48,372.92) 377.94,372.92 377.96,372.89 379.78,372.89 v1(380.01,373.12) 380.01,376.34 v1(379.83,376.52) 379.28,376.52 379.16,376.39 377.93,376.39 C90616.2 ; 446.33,389.79 v2(446.71,390.17) 446.77,390.11 ; 446.33,389.79 446.77,389.36 J24.72 446.77,387.15 447.45,386.47 ; v1(378.48,342.52) 378.48,342.64 U90135.D2 ; 447.23,338.14 447.23,337.94 447.21,337.92 446.63,337.92 437.98,329.27 437.39,329.27 v1(437.39,329.11) ; 447.23,338.14 447.23,338.46 451.14,342.37 452.23,342.37 453.23,343.37 453.23,347.42 v1(453.16,347.49) ; 447.23,338.14 447.48,337.89 447.48,337.01 438.56,328.08 438.56,325.36 439.6,324.32 444.9,324.32 447.01,326.43 U17.25 ; 447.45,386.47 v1(447.53,386.47) 447.57,386.47 447.57,370.63 447.56,370.62 447.56,355.77 ; v1(467.43,365.17) 467.06,365.18 U33.52 465.77,365.18 465.77,365.18 465.62,365.18 v1(465.41,364.97) ; 468.41,366.83 467.26,367.98 U33.66 465.77,367.98 465.56,368.19 465.56,369.37 v1(465.78,369.59) 466.12,369.58 U33.74 468,369.58 v1(468.41,369.17) 468.78,369.18 U33.71 470.08,369.18 v1(470.08,369.17) 470.38,369.04 471.57,369.04 472.62,367.99 472.71,367.99 472.73,368.02 v1(472.76,368.02) ; 468.41,366.83 468.41,367.82 468.57,367.98 U33.65 469.72,367.98 v1(470.13,367.97) ; 468.41,366.83 v1(468.41,366.79) ; v1(465.66,366.97) 465.77,366.85 465.96,366.78 U33.60 467.3,366.78 467.31,366.77 468.41,366.77 v1(468.41,366.79) ; v1(434.36,367.19) 434.44,367.18 U33.161 436.46,367.18 v1(436.46,367.12) ; 431.25,365.64 430.75,365.64 430.45,365.34 430.16,365.34 ; 431.25,365.64 431.76,365.13 431.76,364.67 ; v1(471.81,328.14) 471.81,329.94 472.86,330.99 476.73,330.99 479.43,328.29 479.43,318.79 477.91,317.27 v1(477.91,316.32) ; 465.38,356.19 465.38,356.2 v1(465.78,356.37) ; 465.38,356.19 465.38,350.93 465.86,350.44 466.2,350.44 466.48,350.73 v1(466.48,354.74) 466.48,355.07 U33.2 ; v1(433.98,367.99) 434,367.98 ; v1(433.98,367.99) 433.98,367.98 ; v1(433.98,367.99) 433.6,368.38 U33.168 431.7,368.38 431.67,368.41 v1(431.66,368.39) 431.47,368.39 431.12,368.74 430.9,368.74 428.95,370.69 428.08,370.69 ; 431.51,364.42 431.76,364.67 ; 431.76,364.67 431.87,364.78 U33.150 433.22,364.78 v1(433.51,364.49) ; v1(465.68,358.92) 465.94,359.18 U33.22 467.81,359.18 v1(467.81,359.24) 467.79,359.26 468.18,359.64 468.52,359.64 468.58,359.58 U33.23 469.96,359.58 470.19,359.34 v1(470.91,359.34) ; U4301.45 398.93,334.6 406.52,342.19 415.62,342.19 431.01,357.58 U33.114 433.42,357.58 v1(433.73,357.89) 434.05,357.58 U33.113 435.75,357.58 v1(436.06,357.27) ; 435.88,378.94 433.78,378.94 ; 435.88,378.94 436.75,378.94 ; v1(374.56,342.52) 374.56,342.67 U90132.D2 ; v1(467.41,357.57) 467.06,357.58 U33.14 466.12,357.58 v1(465.78,357.59) ; R7315.1 480.03,317.09 480.03,328.54 476.73,331.84 474.29,331.84 474.09,331.64 471.41,331.64 470.78,332.28 470.78,332.61 471.49,333.32 471.53,333.32 ; D90032.2 401.98,316.16 401.98,321.22 409.21,328.44 422.12,328.44 427.68,334 436.56,334 449.3,346.73 449.3,347.89 451.17,349.75 451.17,385.98 451.16,385.99 ; 449.96,386.02 449.74,386.02 449.41,386.34 448.77,386.34 ; 449.96,386.02 449.96,367.8 449.97,367.79 449.97,349.6 448.6,348.24 448.6,347.02 436.27,334.7 427.38,334.7 421.83,329.14 408.78,329.14 399.38,319.74 399.38,318.94 ; 449.96,386.02 451.13,386.02 451.16,385.99 ; 449.96,386.02 v1(449.96,386.07) ; 448.38,386.57 448.77,386.95 J24.62 448.77,388.98 449.68,389.89 ; 448.38,386.57 448.54,386.57 448.77,386.34 ; 448.38,386.57 v1(448.01,386.57) 448.01,386.59 447.57,387.03 J24.68 447.57,389.68 v2(448.06,390.17) ; 461.18,385.92 460.77,385.92 J24.1 460.77,384.71 461.06,384.42 v1(461.38,384.42) ; 461.18,385.92 v1(461.18,385.67) ; 430.16,365.34 430.38,365.57 430.38,366.91 429.87,367.42 428.43,367.42 427.76,366.74 403.87,366.74 394.14,376.47 385.56,376.47 382.73,379.29 J5002.10 ; v1(432.21,377.74) 432.21,378.46 432.68,378.94 433.78,378.94 ; 430.61,359.87 430.61,359.97 v1(431.71,359.97) 432.07,359.98 U33.126 U33.125 436.5,359.98 436.56,359.92 v1(436.68,359.84) ; v1(436.23,361.14) 436.23,361.18 U33.131 434.13,361.18 v1(434.13,361.17) ; 451.16,385.99 v1(451.13,386.04) ; 448.77,386.34 448.77,354.47 ; v1(490.08,323.42) 489.32,323.42 489.07,323.17 487.59,323.17 487.46,323.29 486.69,323.29 486.46,323.06 486.46,322.73 487.11,322.07 v1(490.11,322.07) ; 428.08,370.69 427.95,370.69 426.35,369.09 404.8,369.09 395.73,378.16 J6.12 ; 428.08,370.69 428.08,370.88 427.7,371.27 427.03,371.27 426.61,370.84 426.61,370.34 426.06,369.79 405.09,369.79 398.73,376.15 J6.9 ; J24.37 453.57,384.52 453.82,384.27 v1(454.76,384.27) 454.77,384.28 J24.31 ; v1(465.78,357.59) 465.78,358.34 ; v2(449.41,390.17) 449.68,389.89 ; 449.68,389.89 449.97,389.61 449.97,386.9 v1(449.96,386.89) ; U90136.D2 388.86,365.64 v1(388.86,365.77) ; 431.28,367.07 431.57,366.78 ; 431.28,367.07 431.39,367.18 U33.162 433.18,367.18 433.48,366.88 v1(433.48,366.67) ; 454.77,385.18 454.77,385.79 ; U90133.D2 371.43,342.62 v1(371.43,342.52) ; v1(468.41,366.79) 468.78,366.78 U33.59 470.11,366.78 v1(470.11,366.77) ; v1(468.43,357.57) 468.78,357.58 U33.13 ; v1(434.13,361.17) 434.23,361.07 ; v1(448.71,354.44) 448.77,354.47 ; 448.77,354.47 448.77,349.43 ; 448.77,354.47 447.99,354.47 ; v1(470.08,363.59) 469.99,363.58 U33.43 468.42,363.58 v1(468.38,363.54) 468.34,363.58 468.08,363.32 467.73,363.32 v1(467.51,363.44) 467.52,363.43 467.26,363.18 U33.42 465.77,363.18 v1(465.53,363.42) ; 435.86,375.27 435.71,375.12 v1(434.26,375.12) ; v1(431.56,372.82) 431.53,372.84 431.87,373.18 U33.192 U33.191 436.32,373.18 436.56,373.42 436.56,376.16 436.07,376.64 434.71,376.64 434.23,377.12 434.23,378.49 433.78,378.94 ; ESD2706.2 458.56,312.49 458.56,316.69 460.79,318.92 460.79,332.16 453.96,338.99 453.96,355.51 452.65,356.82 452.37,356.82 ; U90040.8 466.02,314.86 463.81,317.07 463.81,333.62 458.36,339.07 v1(458.36,384.37) 458.37,384.38 J24.13 458.37,385.85 ; 452.37,356.82 452.11,356.56 452.11,349.64 450,347.54 450,346.44 436.85,333.29 428.02,333.29 422.47,327.74 409.56,327.74 404.26,322.44 404.26,317.72 404.71,317.27 404.71,316.21 D90031.2 ; 458.37,385.85 458.2,386.02 v1(457.06,386.02) 457.17,385.91 457.17,339.22 463.11,333.28 463.11,316.72 464.88,314.94 464.88,312.92 464.56,312.59 464.56,308.54 464.79,308.31 464.79,307.61 J8202.A12 ; v1(433.51,361.77) 433.95,361.32 434.02,361.32 434.26,361.09 ; v1(468.38,356.34) 468.38,356.38 U33.7 ; v1(429.22,323.47) 429.22,328.08 430.3,329.16 437.25,329.16 437.35,329.06 ; v1(436.66,362.37) 436.63,362.39 435.2,362.39 U33.137 434.71,362.38 v1(434.26,362.42) 434.22,362.38 U33.138 430.95,362.38 430.15,363.18 403.12,363.18 395.48,370.82 363.83,370.82 358.28,376.37 358.28,379.72 362.23,383.67 J7.9 ; v1(467.53,358.29) 467.41,358.17 467.41,357.62 ; v1(367.33,342.17) 367.33,342.37 U90089.D2
  Top w0.25: v1(415.63,385.24) U90104.32 415.63,387.11 415.48,387.26 415.48,387.97 v1(415.33,388.12) U90104.33 415.33,390.29 v2(415.28,390.29) ; v1(417.63,381.17) 417.61,381.02 417.58,381.02 417.58,380.42 418.79,379.2 418.78,379.2 C90751.2 ; v2(421.41,390.27) 420.73,389.59 U90104.15 v1(420.73,388.04) ; v1(420.81,384.72) 420.88,384.49 421.06,384.47 421.63,385.04 U90104.12 ; v1(423.73,387.24) 423.43,386.94 U90104.6 423.43,385.32 422.58,384.47 421.56,384.47 ; v1(394,358.71) 394.24,358.47 398.67,358.47 399.03,358.82 v1(399.09,358.76) ; v2(416.51,390.27) 416.53,390.27 U90104.29 v1(416.53,388.12) 416.53,387.57 416.83,387.27 U90104.28 v1(416.83,384.69) ; U90104.21 418.93,390.27 v2(418.96,390.27) ; v1(400.18,361.27) 401.63,359.82 v1(429.08,359.82) ; v1(418.63,385.24) U90104.22 ; v2(422.63,390.27) 422.53,390.27 422.53,389.04 U90104.9 ; 395.47,356.62 394.89,356.04 CON1.30 394.89,353.47 393.63,352.21 393.63,351.85 392.75,350.97 390.8,350.97 CON1.25 ; v1(419.83,385.24) U90104.18
  Top w0.3: v1(393.73,345.62) 393.73,345.6 U4301.1 395.88,345.6 v1(395.88,345.59) ; v1(393.73,331.62) 393.73,331.6 U4301.57 395.88,331.6 v1(395.88,331.59) ; v1(395.88,337.62) 395.88,337.6 U4301.33 393.76,337.6 v1(393.76,337.62) ; v1(388.63,339.89) 388.63,341.03 388.31,341.35 U4301.18 ; 430.61,359.87 429.67,358.93 429.67,358.85 v1(428.48,357.67) 428.48,357.56 427.88,356.96 414.57,343.64 405.65,343.64 401.42,339.42 394.18,339.42 392.83,338.07 392.83,336.89 393.61,336.12 v1(393.76,336.12) 393.76,336.1 U4301.39 ; v1(396.93,327.14) 396.89,327.1 U4301.75 393.76,327.1 v1(393.76,327.12) ; U4301.51 393.68,333.1 v1(393.68,333.12) ; v1(393.71,344.09) 393.71,344.1 U4301.7 395.93,344.1 v1(395.93,344.09) ; v1(393.63,329.69) 393.63,329.87 393.86,330.1 U4301.63 395.76,330.1 396.01,329.86 v1(396.01,329.69) 396.03,329.67 396.03,328.84 395.79,328.6 U4301.69 393.73,328.6 v1(393.73,328.62) ; v1(393.76,334.62) 393.76,334.6 U4301.45
  Top w0.35: v1(373.03,315.44) 373.21,315.62 373.21,318.67 373.26,318.72
  Top w0.4: 430.43,373.92 431.53,372.82 v1(431.56,372.82) ; v1(405.46,371.02) 405.88,370.59 425.03,370.59 426.73,372.29 427.52,372.29
  Top w0.42: J6.15 392.73,380.01 404.48,368.27 426.87,368.27 427.54,368.94 430.48,368.94 ; 431.51,364.42 431.47,364.38 403.11,364.38 395.82,371.67 364.15,371.67 359.12,376.7 359.12,378.64 365.25,384.78 365.25,385.39 J7.6 ; v1(459.56,384.32) v1(459.56,379.19) v1(459.56,372.27) v1(459.56,364.39) v1(459.56,357.12) v1(459.56,350.27) 459.56,345.72 459.58,345.69 v1(459.58,341.14) 459.58,339.04 464.62,334 464.62,317.43 466.78,315.27 ; 434.37,339.32 430.83,339.32 421.5,329.98 417.34,329.98 417.26,330.07 ; J7.15 356.23,376.18 363.17,369.24 394.74,369.24 403.21,360.78 416.52,360.78 416.53,360.79 429.85,360.79 430.36,360.29 430.36,360.12 430.61,359.87 ; 414.46,335.92 423.82,335.92 442.61,354.7 442.61,380.12 439.87,382.85 428.56,382.85 426.17,380.47 426.17,373.64 428.34,371.48 ; v1(454.76,384.27) v1(454.76,379.22) v1(454.76,372.27) v1(454.76,364.47) 454.76,361.57 454.77,361.56 v1(454.77,358.66) 454.77,357.95 454.76,357.93 v1(454.76,357.22) 454.76,356.56 454.77,356.54 v1(454.77,355.37) v1(454.77,352.95) 454.77,339.37 461.6,332.55 461.6,315.92 ; 434.35,387.27 435.46,387.27 ; 373.26,318.72 373.26,320.44 375.83,323.02 396.92,323.02 412.92,339.02 422.65,339.02 439.53,355.9 439.53,378.63 438.36,379.79 429.81,379.79 429.2,379.18 429.2,375.15 430.43,373.92
  Power w0.1: v1(458.81,307.74) 459.98,307.74 460.43,308.2 460.43,308.49 460.18,308.74 459.28,308.74 v1(458.78,308.24) ; v1(439.51,378.39) 438.91,377.79 434.48,377.79 v1(434.41,377.87) ; 462.56,308.69 464.41,308.69 v1(465.18,307.92) ; 462.56,308.69 462.48,308.77 461.63,308.77 461.38,308.52 461.38,308.2 461.5,308.08 461.5,308.08 461.76,307.82 461.76,306.12 461.48,305.84 461.48,305.45 461.76,305.17 462.08,305.17 462.28,305.37 462.28,308.42 462.56,308.69 ; v1(432.21,377.74) 432.21,377.64 434.18,377.64 v1(434.41,377.87) ; v1(432.21,377.74) 432.03,377.57 426.38,377.57 423.73,380.22 419.13,380.22 v1(418.23,381.12) ; v1(432.21,377.74) 433.26,378.79 433.75,378.79 434.2,378.34 434.2,378.07 v1(434.41,377.87) ; v1(464.93,306.62) 464.19,306.62 463.31,305.74 463.31,305.45 463.51,305.24 464.3,305.24 464.91,305.85 v1(464.91,306.07) ; v1(353.83,357.47) 356.03,355.27 356.03,349.77 355.68,349.42 v1(353.98,349.42)